# Altium PCB Condor2a.PcbDoc (part 2 of 2)
Units mm, origin at the board's own origin, x right, y up, seen from the top; angles counter-clockwise.
Board outline 206.68 x 159.72 mm, 4 copper layers (Top Layer, Signal Layer 2, Signal Layer 1, Bottom Layer), stack 1.643 mm thick; 82 components, 117 nets, 485 pads, 183 vias.
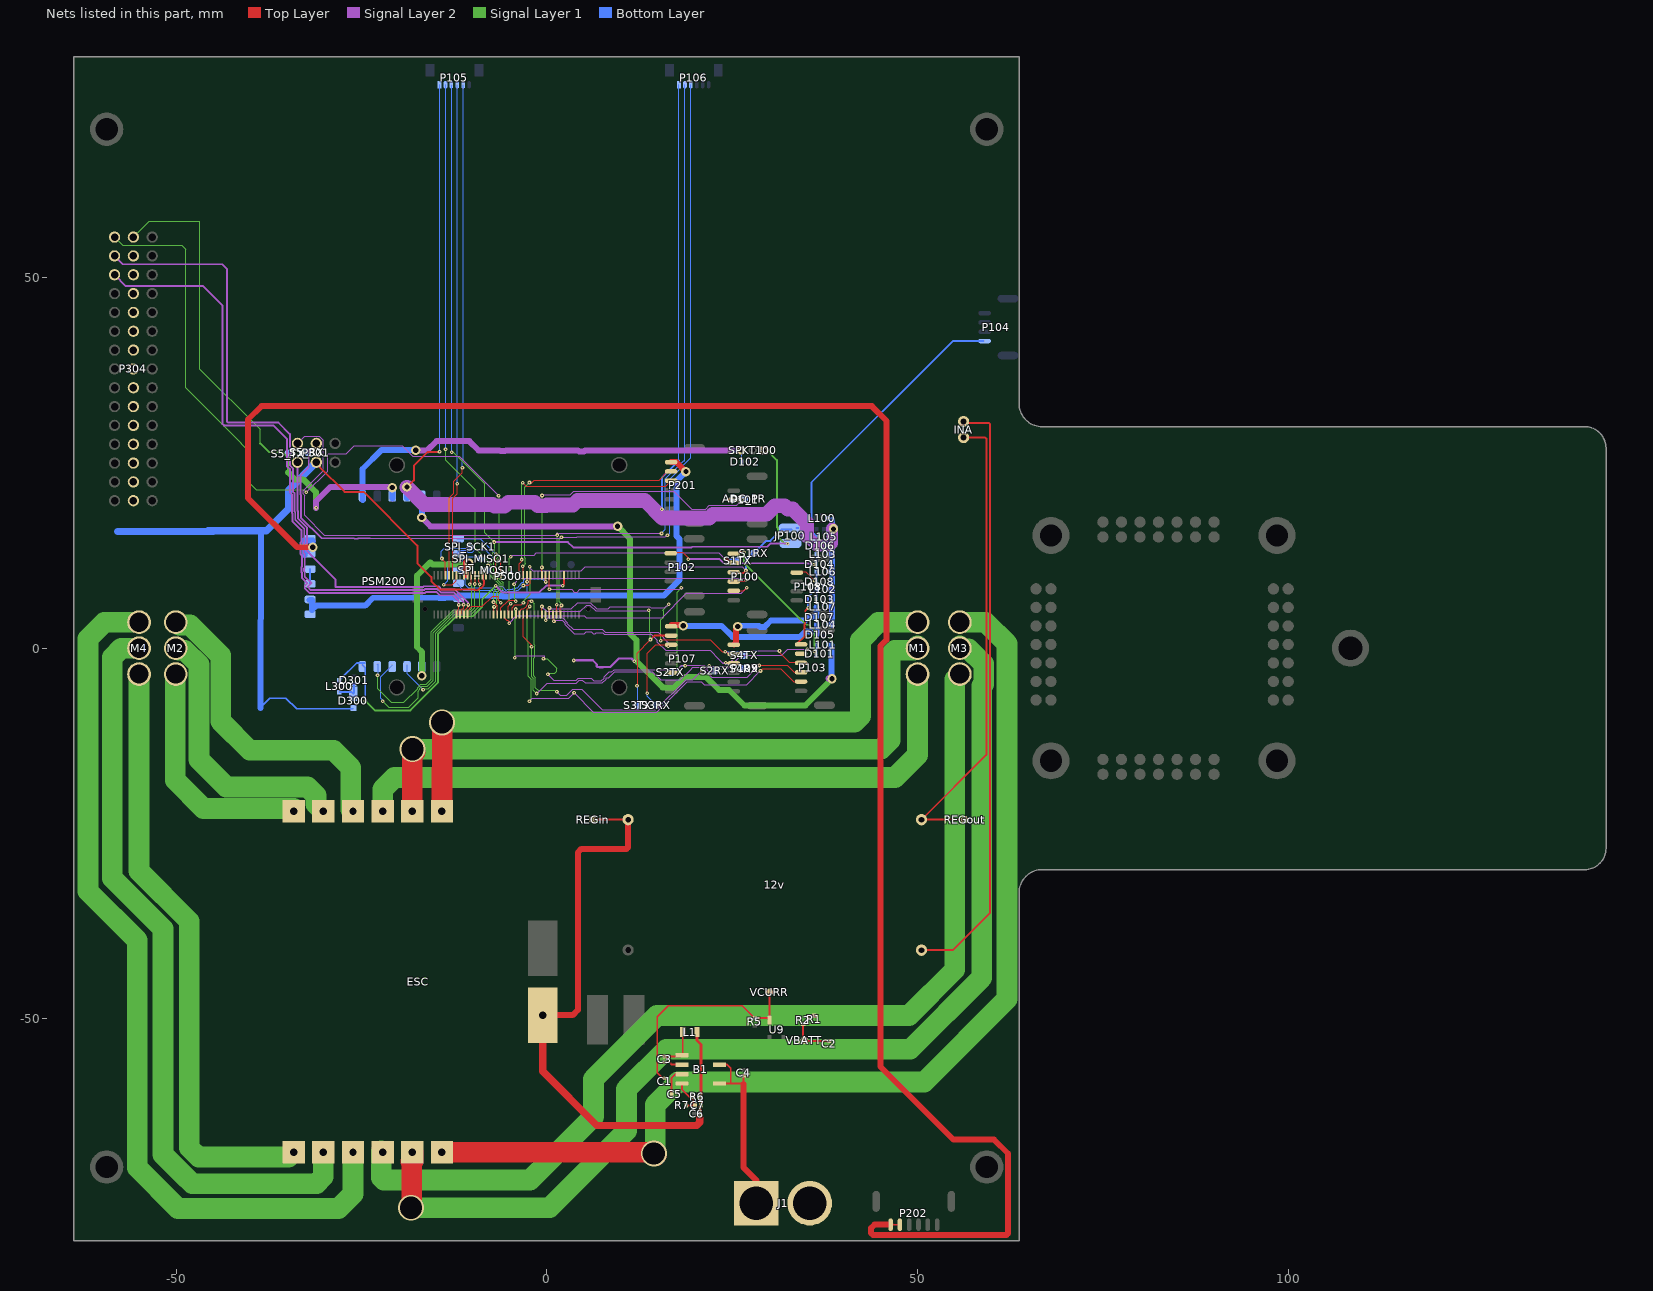
[diagram p4: the nets of this part, all layers, seen from the top]

## Via types
v1: diameter 0.5, hole 0.2, Top Layer to Bottom Layer, tented both sides, 166 vias
v2: diameter 1.27, hole 0.711, Top Layer to Bottom Layer, tented both sides, 13 vias
v3: diameter 3.5, hole 3, Top Layer to Bottom Layer, tented both sides, 4 vias

## Nets (pads, with @x,y where several pads share a name; then routed paths per layer and width w, separated by ;. In a path a pad name is that pad's centre, name@x,y a point inside that pad or via, vN(x,y) a via of type N, cw(c..) or ccw(c..) an arc to the next point about the centre after c; other vN are vias at no path point) (continued)
IO-CH7-PROT: P304.13 P500.68 | length 86.9
  Top Layer w0.15: P500.68@-12.196,4.53 -12.025,4.701 -12.025,5.172 -11.897,5.299 v1(-11.897,5.833) v1@-11.897,5.878
  Signal Layer 2 w0.254: P304.13@-58.318,50.368 -56.794,48.844 -46.35,48.844 -43.764,46.259 -43.764,30.256 -43.545,30.036 -36.88,30.036 -35.039,28.196 -35.039,24.502 -34.645,24.108 -34.645,20.96 -34.404,20.719 -34.404,18.237 -34.326,18.158 -34.326,17.142 -33.116,15.932 -33.116,14.407 -33.233,14.29 -33.233,12.684 -33.044,12.494 -33.044,10.974 -33.125,10.892 -33.125,10.261 -33.044,10.179 -33.044,9.492 -32.311,8.759 -32.663,8.408 -32.663,8.093 -32.029,7.459 -16.411,7.459 -16.288,7.582 -14.924,7.582 -14.47,7.129 -12.696,7.129 -11.897,6.331 v1(-11.897,5.833)
IO-CH8-PROT: P304.14 P500.66 | length 91.9
  Top Layer w0.15: P500.66@-11.696,4.53 -11.525,4.701 -11.525,5.172 -11.406,5.29 -11.298,5.29 -11.237,5.352 v1(-11.237,5.859)
  Signal Layer 2 w0.254: P304.14@-58.318,52.908 -57.201,51.791 -43.79,51.791 -43.155,51.156 -43.155,30.566 -43.006,30.417 -36.202,30.417 -34.658,28.874 -34.658,24.66 -34.264,24.266 -34.264,21.118 -34.023,20.877 -34.023,18.395 -33.945,18.316 -33.945,17.299 -32.735,16.09 -32.735,14.249 -32.852,14.132 -32.852,12.842 -32.663,12.652 -32.663,10.816 -32.744,10.735 -32.744,10.419 -32.663,10.337 -32.663,9.649 -31.742,8.729 -31.803,8.729 -32.282,8.25 -31.871,7.84 -16.569,7.84 -16.446,7.963 -14.766,7.963 -14.313,7.51 -12.538,7.51 -11.212,6.184 v1@-11.212,5.859
IO-SWCLK: P105.5 P500.71 | length 67
  Top Layer w0.152: P500.71@-13.196,9.847 -13.196,20.267 -12.542,20.92 -12.542,22.52 -11.389,23.673 v1(-11.389,24.325)
  Bottom Layer w0.15: -11.311,25.487 -11.311,75.97 P105.5@-11.282,76
  Bottom Layer w0.152: v1(-11.389,24.325) -11.389,25.392 -11.282,25.5
IO-SWDIO: P105.4 P500.69 | length 66.6
  Top Layer w0.152: P500.69@-12.696,9.847 -12.696,20.2 -12.075,20.82 v1(-12.075,22.166)
  Bottom Layer w0.15: -12.082,25.5 P105.4@-12.082,76
  Bottom Layer w0.152: -12.082,25.5 -12.082,22.261 -12.177,22.166 v1(-12.075,22.166)
IO-USART1_RX_SPECTRUM_DSM: JP100.1 P105.3 P500.48 SPKT100.1 | length 130.2
  Top Layer w0.15: P500.48@-7.196,4.53 -7.196,5.48 v1(-7.122,5.554)
  Signal Layer 2 w0.254: v1(-7.122,14.317) 2.833,14.317 3.566,13.584 19.529,13.584 19.624,13.68 29.751,13.68 ; 29.751,13.686 30.185,14.12 v1@32.488,14.12
  Signal Layer 1 w0.15: v1@-12.867,26.42 -12.647,26.42 -8.392,22.166 -8.392,15.587 v1(-7.122,14.317) ; v1(-7.122,5.554) -7.148,5.579 -7.148,5.325 -6.79,5.683 -6.79,5.984 -6.746,6.027 -6.746,6.402 -6.79,6.445 -6.79,7.472 -6.165,8.097 -6.165,8.701 -7.193,9.729 -7.193,12.352 -7.32,12.479 -7.32,12.853 -7.046,13.127 v1@-7.046,14.393
  Signal Layer 1 w0.254: SPKT100.1@29.272,26.668 29.728,26.668 31.025,25.37 31.025,16.336 31.162,16.199 31.162,14.998 32.06,14.1 v1(32.488,14.1)
  Bottom Layer w0.15: P105.3@-12.882,76 -12.842,75.961 v1(-12.842,26.42)
IO-USART1_TX: P105.2 P500.46 | length 75.1
  Top Layer w0.15: v1(-7.198,6.214) -6.99,6.006 -6.935,6.006 -6.67,5.741 -6.67,4.555 P500.46@-6.696,4.53
  Signal Layer 1 w0.15: v1(-13.667,26.82) -13.667,25.345 -9.662,21.34 -9.662,13.508 -7.483,11.329 -7.483,9.627 -6.442,8.586 -6.442,8.212 -6.706,7.947 -6.824,7.947 -7.198,7.572 v1(-7.198,6.214)
  Bottom Layer w0.15: v1(-13.667,26.82) P105.2@-13.667,75.986
Net12v_OUT+: 12v.OUT+ INA.1 REGout.P$1 | length 64.7
  Top Layer w0.254: 12v.OUT+@50.304,-23.139 REGout.P$1@56.364,-23.139 ; 12v.OUT+@50.536,-23.139 59.284,-14.392 59.284,28.265 59.135,28.413 INA.1@55.733,28.413
Net12v_OUT-: 12v.OUT- INA.2 | length 81.2
  Top Layer w0.254: 12v.OUT-@50.536,-40.739 54.739,-40.739 59.792,-35.687 59.792,30.204 59.643,30.353 INA.2@55.916,30.353
NetB1_1: B1.1 C3.P$1 L1.P$1 | length 5.1
  Top Layer w0.254: C3.P$1@15.904,-55.069 B1.1@18.051,-55.069 ; B1.1@18.332,-54.788 L1.P$1@18.332,-51.791
NetB1_2: B1.2 C3.P$2 | length 2.4
  Top Layer w0.254: C3.P$2@15.904,-55.869 16.55,-55.869 16.866,-56.185 B1.2@18.205,-56.185
NetB1_3: B1.3 C5.P$1 | length 3.8
  Top Layer w0.254: C5.P$1@16.789,-60.198 16.789,-57.996 17.331,-57.455 B1.3@18.205,-57.455
NetB1_4: B1.4 C7.P$2 R6.P1 R7.P2 | length 5.2
  Top Layer w0.254: B1.4@18.205,-58.725 18.205,-59.522 19.207,-60.524 R6.P1@19.748,-60.524 19.748,-61.456 C7.P$2@19.975,-61.684 R7.P2@18.765,-61.684
NetD101_C: D101.C L101.P$2 P100.1 | length 19.6
  Top Layer w0.254: P100.1@25.758,12.72 26.066,13.029 26.501,13.029 26.578,12.952 v1(26.604,12.952)
  Signal Layer 1 w0.254: v1(26.604,12.952) 26.604,11.474 34.276,3.802 ; 34.394,3.76 34.997,3.156 35.305,3.156 36.103,2.359 v1(36.103,-0.4)
  Bottom Layer w0.254: D101.C@36.382,-0.738 L101.P$2@36.382,0.455
NetD104_C: D104.C L103.P$2 P102.1 | length 21.7
  Top Layer w0.152: P102.1@16.884,12.915 18.35,12.915 19.082,12.183 v1(19.082,12.006)
  Signal Layer 2 w0.254: v1(19.082,12.006) 22.916,12.006 ; 22.923,12.012 23.3,12.012 23.859,11.453 35.316,11.453 ; 35.058,11.42 35.777,11.42 v1@35.955,11.242
  Bottom Layer w0.254: v1(35.968,11.255) D104.C@36.357,11.255 ; D104.C@36.382,11.077 36.382,12.271
NetD105_C: D105.C L104.P$2 P107.1 | length 22.1
  Top Layer w0.8: P107.1@16.783,3.096 18.314,3.096 v2(18.397,3.014)
  Bottom Layer w0.8: v2@18.219,3.039 18.244,3.014 v2(18.397,3.014) 23.564,3.014 25.058,1.52 34.158,1.52 34.858,2.22 36.405,2.22 ; D105.C@36.405,1.868 L104.P$2@36.405,3.183
NetD106_C: D106.C L105.P$2 P104.1 | length 40.3
  Bottom Layer w0.254: 36.382,13.465 36.382,13.82 36.382,14.659 ; 36.442,14.718 36.319,14.841 36.319,15.141 35.697,15.763 35.697,22.371 54.753,41.427 P104.1@58.903,41.427
NetD107_C: D107.C L107.P$2 P109.1 | length 14.8
  Top Layer w0.8: P109.1@25.268,0.456 25.496,0.684 25.496,2.659 v2(25.758,2.92)
  Bottom Layer w0.8: v2@25.758,3.02 28.604,3.02 28.746,2.878 29.389,2.878 30.231,3.72 34.858,3.72 35.334,4.197 D107.C@36.332,4.197 ; 36.382,4.645 L107.P$2@36.382,5.553
NetD108_C: D108.C L106.P$2 P108.1 | length 4.7
  Top Layer w0.152: P108.1@33.718,10.361 33.79,10.29 34.952,10.29 v1@36.095,9.147
  Bottom Layer w0.254: v1(36.095,9.121) 36.382,8.834 L106.P$2@36.382,10.292
NetD300_CATHODE: D300.CATHODE D301.C L300.P$1 | length 3.4
  Bottom Layer w0.254: L300.P$1@-28.01,-5.927 -26.329,-5.927 D300.CATHODE@-26.105,-6.15 -26.004,-6.048 D301.C@-26.004,-4.827
NetESC_1: ESC.1 M4.1 | length 80.6
  Signal Layer 1 w2.8: M4.1@-55.016,-3.5 -55.016,-17.069 -55.016,-30.048 -48.235,-36.83 -48.235,-67.386 -46.965,-68.656 ESC.1@-34.849,-68.656
NetESC_2: ESC.2 M4.2 | length 101
  Signal Layer 1 w2.8: M4.2@-55.016,0 -57.379,0 -58.623,-1.245 -58.623,-31.013 -51.791,-37.846 -51.791,-68.301 -49.022,-71.069 -48.997,-71.069 -47.828,-72.238 -31.09,-72.238 -30.155,-71.303 ESC.2@-30.155,-68
NetESC_3: ESC.3 M4.3 | length 119.7
  Signal Layer 1 w2.8: M4.3@-55.016,3.5 -59.67,3.5 -61.9,1.27 -61.9,-32.791 -55.245,-39.446 -55.245,-70.104 -49.759,-75.59 -28.118,-75.59 -26.155,-73.628 ESC.3@-26.155,-68
NetESC_4: ESC.4 M3.1 | length 135.9
  Signal Layer 1 w2.8: ESC.4@-22.327,-67.843 -22.327,-71.425 -21.996,-71.755 -2.286,-71.755 6.274,-63.195 6.274,-58.141 14.859,-49.555 48.844,-49.555 55.016,-43.383 55.016,-4.238 55.7,-3.554 M3.1@55.7,-3.5
NetESC_5: ESC.5 M3.2 | length 147.3
  Top Layer w2.8: v3@-18.218,-75.393 ESC.5@-18.218,-69.258
  Top Layer w3: v3(-18.313,-75.489) v3@-18.218,-75.393 ; ESC.5@-18.218,-69.258 -18.155,-69.195 ESC.5@-18.155,-68
  Signal Layer 1 w2.8: v3(-18.313,-75.489) 0.356,-75.489 10.744,-65.1 10.744,-59.487 16.129,-54.102 49.022,-54.102 58.649,-44.475 58.649,-5.115 58.927,-4.837 58.927,-2.136 56.891,-0.1 56.073,-0.1 M3.2@55.7,0.273
NetESC_6: ESC.6 M3.3 | length 144.2
  Top Layer w2.8: ESC.6@-14.155,-68 v3@14.237,-68
  Top Layer w3: v3@14.237,-68 14.605,-68.368 v3@14.605,-68.377
  Signal Layer 1 w2.8: v3@14.605,-68 14.605,-61.62 17.704,-58.522 50.902,-58.522 62.078,-47.346 62.078,0.381 62.078,0.609 59.187,3.5 M3.3@55.7,3.5
  other v3: 14.421,-68.184
NetESC_9: ESC.9 M1.3 | length 87.7
  Top Layer w2.8: ESC.9@-14.155,-22 v3@-14.12,-9.97
  Signal Layer 1 w2.8: v3@-14.12,-9.97 41.491,-9.97 42.291,-9.17 42.291,1.049 44.742,3.5 M1.3@50,3.5
  other v3: -14.146,-10.004
NetESC_10: ESC.10 M1.2 | length 88.8
  Top Layer w2.8: ESC.10@-18.155,-22 -18.155,-14.345 v3@-17.805,-13.995
  Signal Layer 1 w2.8: v3@-18.155,-13.627 45.072,-13.627 46.279,-12.421 46.279,-0.971 46.965,-0.285 49.442,-0.285 M1.2@50,0.273
  other v3: -18.143,-13.627
NetESC_11: ESC.11 M1.1 | length 87.6
  Signal Layer 1 w2.8: ESC.11@-22.155,-22.08 -22.155,-19.057 -20.549,-17.45 46.965,-17.45 50,-14.414 M1.1@50,-3.95
NetESC_12: ESC.12 M2.3 | length 42.6
  Signal Layer 1 w2.8: M2.3@-50.063,3.5 -49.955,3.5 -49.582,3.127 -48.129,3.127 -44.009,-0.992 -44.009,-9.839 -40.081,-13.767 -28.801,-13.767 -26.441,-16.126 ESC.12@-26.441,-21.793
NetESC_13: ESC.13 M2.2 | length 37.2
  Signal Layer 1 w2.8: M2.2@-50.063,0 -49.955,0 -49.656,-0.299 -48.842,-0.299 -46.936,-2.205 -46.936,-15.014 -43.237,-18.714 -32.282,-18.714 -31.128,-19.868 -31.128,-21.027 ESC.13@-30.155,-22
NetESC_14: ESC.14 M2.1 | length 32.1
  Signal Layer 1 w2.8: M2.1@-50.14,-3.315 -50.14,-17.805 -46.304,-21.641 ESC.14@-34.155,-21.641
OTG_DM1: P201.3 P500.33 | length 33.3
  Top Layer w0.15: P500.33@-3.693,9.847 -3.713,9.867 -3.713,11.401 -3.388,11.726 v1(-3.388,11.955) ; v1(-3.236,22.293) -2.779,21.835 16.005,21.835 P201.3@16.758,22.587
  Signal Layer 1 w0.15: v1(-3.388,11.955) -3.388,22.265 -3.416,22.293 v1(-3.236,22.293)
OTG_DP1: P201.2 P500.31 | length 32.9
  Top Layer w0.15: v1(-3.261,11.04) -3.312,11.04 -3.363,10.99 -3.185,10.812 P500.31@-3.185,9.847 ; v1(-2.347,22.343) -2.042,22.343 -1.712,22.674 15.171,22.674 16.335,23.837 P201.2@16.758,23.837
  Signal Layer 1 w0.15: v1(-3.261,11.04) -3.185,11.04 -2.906,11.32 -2.906,11.396 -2.936,11.427 -2.936,12.142 -2.957,12.162 -2.957,21.785 -2.906,21.785 v1(-2.347,22.343)
PERIPH_5V: D103.C L102.P$2 P103.1 | length 10.1
  Top Layer w0.254: P103.1@33.718,0.562 34.758,1.602 34.758,3.212 34.858,3.312 34.858,5.02 v1(35.258,5.42)
  Bottom Layer w0.254: v1@35.231,5.42 35.231,5.447 35.206,5.472 35.206,6.869 36.382,8.045 D103.C@36.382,6.566
"Possible Ground ": J1.N
PPM-SBUS-PROT: P304.15 P500.62 | length 108.2
  Top Layer w0.15: P500.62@-10.696,4.53 -10.696,5.054 -10.119,5.63 -8.717,5.63 -7.32,7.027 -6.565,7.027 -6.565,6.495 v1(-6.208,6.138)
  Signal Layer 2 w0.15: v1(-32.442,21.02) -29.578,23.885 -29.578,26.075 -29.431,26.222 -27.089,26.222 -26.015,27.296 -19.543,27.296 -18.12,25.874 -11.847,25.874 v1(-6.513,20.54) v1@-6.513,20.591
  Signal Layer 1 w0.15: P304.15@-58.318,55.448 -57.201,54.331 -49.225,54.331 -48.717,53.823 -48.717,35.115 -41.222,27.62 -41.222,27.557 -40.081,26.415 -40.081,22.243 -39.236,21.399 -32.821,21.399 v1(-32.442,21.02) ; v1(-6.513,20.54) -6.416,20.444 -6.416,12.462 -6.838,12.04 -6.838,9.765 -5.888,8.815 -5.888,7.982 -6.513,7.357 -6.513,6.56 -6.469,6.516 -6.469,6.4 v1(-6.208,6.138)
  Signal Layer 1 w0.254: v1@-6.27,6.138 v1(-6.208,6.138)
PRESSURE_SENS_IN: ADC_PR.P$1 P101.2 P500.21 | length 40.2
  Top Layer w0.15: P500.21@-0.671,9.847 v1(-0.671,10.888) ; P101.2@25.658,20.02 v1@26.227,20.02
  Signal Layer 2 w0.15: v1(-0.645,20.591) -0.645,20.616 -0.696,20.667 3.175,20.667 3.646,21.138 17.124,21.138 19.511,18.751 21.414,18.751 21.922,19.259 25.597,19.259 v1(26.358,20.02)
  Signal Layer 1 w0.15: v1(-0.671,10.888) -0.645,10.913 v1(-0.645,20.591)
RX_5V0_OUT: "P304.RX 5V" PSM200.RX | length 70.2
  Signal Layer 2 w0.8: v1(-31.142,18.92) -31.142,19.812 -29.195,21.759 -20.965,21.759 v2(-20.864,21.658)
  Signal Layer 1 w0.15: -55.778,55.448 -53.645,57.582 -46.812,57.582 -46.812,37.643 -38.682,29.513 -38.682,27.62
  Signal Layer 1 w0.254: -38.682,27.62 -37.482,26.42 -35.642,26.42 -34.91,25.688 -34.91,23.715
  Signal Layer 1 w0.8: -34.91,23.715 -33.968,22.773 -32.876,22.773 -31.142,21.04 v1(-31.142,18.92)
  Bottom Layer w0.8: PSM200.RX@-20.842,20.195 v2@-20.842,21.658
S.BUS_OUT: P301.1 P500.64 | length 39.8
  Top Layer w0.15: P500.64@-11.196,4.53 -11.196,5.001 -10.602,5.595 v1(-10.602,5.833)
  Signal Layer 2 w0.254: P301.1@-33.642,25.08 -33.642,18.552 -33.564,18.474 -33.564,17.457 -32.354,16.247 -32.354,14.092 -32.471,13.974 -32.471,13.238 -28.534,9.301 -28.534,8.246 -16.701,8.246 -16.604,8.344 -14.608,8.344 -14.155,7.891 -12.38,7.891 -10.602,6.113 v1(-10.602,5.833)
SAFETY: P107.6 P500.17 | length 33.9
  Top Layer w0.15: P500.17@0.32,9.847 0.32,7.967 0.295,7.942 v1(0.345,7.942) ; P107.6@16.783,-3.158 16.809,-3.184 17.863,-3.184 v1(17.863,-3.336)
  Signal Layer 2 w0.15: v1(0.345,7.942) 3.338,7.942 3.714,7.566 4.089,7.566 4.464,7.942 17.914,7.942 v1(18.117,8.145) 18.371,8.145 v1@18.168,7.942
  Signal Layer 1 w0.15: v1(17.863,-3.336) 17.863,-3.184 17.787,-3.26 17.56,-3.032 17.56,7.562 18.143,8.145 v1(18.117,8.145)
SERIAL1_CTS: P100.4 P500.44 | length 38.8
  Top Layer w0.15: P500.44@-6.196,4.53 -6.196,5.439 -5.141,6.494 -4.379,6.494 v1(-4.201,6.316) ; P100.4@25.258,9.02 26.635,9.02 v1(26.858,9.243)
  Signal Layer 2 w0.15: v1(-4.43,8.602) -4.43,8.704 -3.724,9.41 v1@26.691,9.41
  Signal Layer 1 w0.15: v1(-4.43,8.602) -4.331,8.503 -4.331,6.678 v1@-4.174,6.521
SERIAL1_RTS: P100.5 P500.42 | length 37.4
  Top Layer w0.15: P500.42@-5.696,4.53 -5.696,4.062 -5.402,3.769 -5.312,3.769 -5.09,3.547 v1(-5.09,3.37) ; P100.5@25.465,7.828 25.572,7.72 26.528,7.72 v1(26.959,8.151)
  Signal Layer 2 w0.15: v1(-5.09,3.37) -4.107,4.353 5.056,4.353 5.303,4.106 15.552,4.106 18.833,7.388 25.818,7.388 ; 25.825,7.394 26.202,7.394 v1(26.959,8.151)
SERIAL1_RX: JP100.2 P100.3 P500.38 S1RX.P$1 | length 49.2
  Top Layer w0.15: P500.38@-4.684,4.53 -4.684,5.452 -4.303,5.833 -3.439,5.833 v1(-3.16,6.113)
  Top Layer w0.254: P100.3@25.458,10.12 26.515,10.12 v1(26.858,10.463)
  Signal Layer 2 w0.15: v1(-2.322,10.99) -2.347,10.964 -2.347,10.888 -1.895,10.436 4.639,10.436 5.162,10.959 23.871,10.959 ; 23.877,10.965 26.355,10.965 v1(26.858,10.463)
  Signal Layer 1 w0.15: v1(-3.16,6.113) -3.16,6.346 -2.225,7.281 -2.225,10.893 v1(-2.322,10.99)
  Bottom Layer w0.254: v1@26.731,10.513 26.781,10.463 v1(26.858,10.463) 26.858,10.513 26.858,11.936 27.836,12.914 28.013,12.914 29.579,14.479 30.157,14.479 31.687,16.009 JP100.2@33.013,16.009 ; JP100.2@33.657,16.183 JP100.2@33.936,16.183
SERIAL1_TX: P100.2 P500.40 S1TX.P$1 | length 41.3
  Top Layer w0.15: P500.40@-5.192,4.53 -5.192,5.643 v1(-4.862,5.973) v1@-4.862,6.062
  Top Layer w0.254: v1(23.987,12.037) 24.341,12.037 24.958,11.42 P100.2@25.558,11.42
  Signal Layer 2 w0.15: v1(-4.862,12.336) -4.633,12.564 -1.712,12.564 -1.433,12.844 20.691,12.844 ; 20.697,12.85 23.175,12.85 v1(23.987,12.037)
  Signal Layer 1 w0.15: v1(-4.862,5.973) -5.085,6.196 -5.085,12.112 v1(-4.862,12.336) v1@-4.836,12.336
  Bottom Layer w0.254: v1(23.987,12.037) 25.537,12.037 S1TX.P$1@25.765,11.809
SERIAL2_CTS: P103.4 P500.32 | length 51.7
  Top Layer w0.15: P500.32@-3.185,4.53 -3.185,1.515 -2.068,0.398 v1(-2.068,0.169) ; v1(-1.356,-6.13) v1@-1.342,-6.144 ; v1(28.636,-2.339) 32.428,-2.339 33.349,-3.26 P103.4@34.291,-3.26
  Signal Layer 2 w0.15: v1(-1.356,-6.13) 0.041,-4.733 3.948,-4.733 4.375,-4.306 4.749,-4.306 5.143,-4.7 7.455,-4.7 7.983,-4.171 7.983,-3.995 8.35,-3.995 9.179,-3.167 14.233,-3.167 15.362,-4.296 18.01,-4.296 19.375,-2.931 19.375,-2.92 19.691,-2.605 21.081,-2.605 21.346,-2.869 21.346,-3.096 22.21,-3.959 27.015,-3.959 v1(28.636,-2.339)
  Signal Layer 1 w0.15: v1(-2.068,0.169) -2.068,-3.829 -1.813,-4.083 -1.813,-5.673 v1(-1.356,-6.13)
SERIAL2_RTS: P103.5 P500.30 | length 56.4
  Top Layer w0.15: P500.30@-2.677,4.53 -2.677,5.325 -2.601,5.325 v1(-2.296,5.63) ; v1@3.664,-6.136 v1(3.664,-6.028) ; v1(28.813,-3.076) 29.093,-2.796 31.561,-2.796 33.269,-4.504 P103.5@34.291,-4.504
  Signal Layer 2 w0.15: v1(-2.347,-7.146) -1.946,-6.745 2.947,-6.745 v1(3.664,-6.028) 6.255,-8.619 14.818,-8.619 18.918,-4.519 20.821,-4.519 21.252,-4.95 26.939,-4.95 v1(28.813,-3.076) v1@28.826,-3.063
  Signal Layer 1 w0.15: v1(-2.347,-7.146) -2.09,-6.889 -2.09,-4.198 -2.53,-3.758 -2.53,0.788 -2.677,0.935 -2.677,5.275 -2.652,5.275 v1(-2.296,5.63)
SERIAL2_RX: P103.3 P500.34 S2RX.P$1 | length 57.9
  Top Layer w0.15: P500.34@-3.693,4.53 -3.693,4.894 -3.514,5.073 -3.514,5.172 -3.396,5.29 -3.104,5.29 -2.748,5.646 -2.748,5.817 -2.485,6.081 -2.485,6.382 -2.423,6.443 -2.169,6.443 v1(-2.068,6.341) ; v1@31.252,-0.485 32.684,-1.917 P103.3@34.291,-1.917
  Signal Layer 2 w0.15: v1(1.361,-5.901) 1.813,-6.353 2.699,-6.353 3.477,-5.576 4.707,-5.576 7.471,-8.34 14.706,-8.34 18.804,-4.242 19.709,-4.242 v1(20.894,-3.057) ; v1@22.029,-2.422 24.366,-2.422 ; 24.373,-2.415 24.592,-2.196 24.592,-2.033 26.241,-0.383 v1(31.379,-0.383)
  Signal Layer 1 w0.15: v1(-2.068,6.341) -1.717,5.991 -1.717,0.458 -1.616,0.356 -1.616,-1.203 -1.758,-1.345 -1.758,-3.747 -1.536,-3.969 -1.536,-5.315 -1.173,-5.678 1.138,-5.678 v1(1.361,-5.901) ; v1(20.894,-3.057) 21.504,-2.447 21.808,-2.447 v1(21.885,-2.371)
  Bottom Layer w0.15: v1(21.885,-2.371) 21.859,-2.396 21.851,-2.396 21.8,-2.447 22.433,-3.08 S2RX.P$1@22.658,-3.08
SERIAL2_TX: P103.2 P500.36 S2TX.P$1 | length 57.7
  Top Layer w0.15: P103.2@33.718,-0.688 34.643,-0.688 v1@35.147,-0.184
  Signal Layer 2 w0.15: v1(-4.354,-1.304) -4.1,-1.05 -0.315,-1.05 -0.315,-1.279 v1(-0.467,-1.431) ; v1(0.142,-3.539) 0.909,-4.306 3.369,-4.306 3.384,-4.321 3.758,-4.321 3.773,-4.306 3.983,-4.306 4.26,-4.029 5.962,-4.029 6.356,-4.423 7.34,-4.423 7.706,-4.057 7.706,-3.881 8.391,-3.196 8.758,-3.196 9.064,-2.89 14.347,-2.89 14.357,-2.899 14.731,-2.899 14.741,-2.89 16.985,-2.89 17.304,-3.209 18.186,-2.328 21.196,-2.328 21.623,-2.755 21.623,-2.981 21.749,-3.107 22.562,-3.107 22.9,-2.77 23.277,-2.77 ; 23.284,-2.763 24.416,-2.763 26.238,-0.942 31.658,-0.942 32.471,-0.129 ; 32.471,-0.15 v1@35.113,-0.15
  Signal Layer 1 w0.15: v1(-4.354,-1.304) -4.354,-1.261 -4.27,-1.177 v1@-4.27,5.275 ; v1(-0.467,-1.431) 0.019,-1.431 1.305,-2.717 1.305,-3.091 1.041,-3.356 0.325,-3.356 v1(0.142,-3.539)
  Bottom Layer w0.15: S2TX.P$1@16.658,-3.28 17.234,-3.28 18.143,-2.371 v1(18.633,-2.371)
  other v1: 35.113,-0.129 -4.201,5.275
SERIAL3_RX: P107.3 P500.20 S3RX.P$1 | length 30
  Top Layer w0.15: v1(13.558,-6.08) 13.558,-0.703 14.706,0.445 P107.3@16.632,0.445 ; P107.3@16.758,0.445 P107.3@16.632,0.445 ; P107.3@16.783,0.596 P107.3@16.632,0.445
  Signal Layer 2 w0.15: v1(-0.163,3.776) 0.137,4.076 2.154,4.076 2.774,3.456 2.774,3.294 3.547,2.521 7.482,2.521 7.853,2.15 14.994,2.15 16.39,0.754 v1(16.39,0.245)
  Bottom Layer w0.15: v1(13.558,-6.08) 13.558,-6.48 S3RX.P$1@14.758,-7.68
SERIAL3_TX: P107.2 P500.22 S3TX.P$1 | length 33.5
  Top Layer w0.15: P500.22@-0.671,4.53 -0.671,5.579 -0.696,5.605 v1(-0.671,5.605) ; v1(12.157,-5.08) 12.227,-5.01 12.227,-1.574 12.157,-1.504 12.157,-0.66 v1(13.977,1.16) ; P107.2@16.758,1.846 P107.2@16.783,1.846
  Top Layer w0.254: v1(13.977,1.16) 14.513,1.695 P107.2@16.758,1.695
  Signal Layer 2 w0.15: v1@-0.721,5.605 v1(-0.671,5.605) -0.041,4.975 4.521,4.975 5.357,5.812 5.798,5.812 6.582,5.028 13.629,5.028 v1(13.723,5.122)
  Signal Layer 1 w0.15: v1(13.723,5.122) 13.799,5.198 13.85,5.198 13.85,2.084 13.977,1.957 v1(13.977,1.16)
  Bottom Layer w0.15: v1(12.157,-5.08) 12.258,-5.18 S3TX.P$1@12.258,-7.68
SERIAL4_RX: P109.3 P500.16 S4RX.P$1 | length 32.3
  Top Layer w0.15: P500.16@0.828,4.53 0.828,3.827 1.158,3.497 1.082,3.497 v1(0.955,3.624) ; P109.3@25.268,-2.044 24.226,-2.044 v1(24.14,-1.958) ; v1(24.14,-1.958) 24.14,-2.009 24.114,-2.034 24.114,-1.983 v1(24.14,-1.958)
  Signal Layer 2 w0.15: v1(0.955,3.624) 1.1,3.768 2.07,3.768 2.497,3.341 2.497,3.18 3.709,1.967 5.028,1.967 5.305,2.244 5.956,2.244 6.233,1.967 6.559,1.967 6.686,2.094 7.518,2.094 7.746,1.866 14.109,1.866 14.922,1.053 14.922,0.82 16.03,-0.288 22.016,-0.288 23.2,-1.472 23.2,-1.51 23.731,-2.041 ; v1@24.114,-2.034 24.14,-2.009 v1(24.14,-1.958)
  Signal Layer 2 w0.254: 23.731,-2.041 v1@24.057,-2.041
  Bottom Layer w0.15: v1(24.14,-1.958) 24.14,-2.009 24.038,-2.11 26.045,-2.11 S4RX.P$1@26.807,-2.872
SERIAL4_TX: P109.2 P500.18 S4TX.P$1 | length 37.3
  Top Layer w0.15: P500.18@0.32,4.53 0.32,5.402 v1(0.345,5.427) ; v1(15.374,1.007) 15.501,1.134 22.054,1.134 23.68,-0.491 v1@24.057,-0.491 ; v1@24.14,-0.409 24.525,-0.794 P109.2@25.268,-0.794
  Signal Layer 2 w0.15: v1(0.345,5.427) 0.467,5.305 3.318,5.305 4.146,6.133 5.869,6.133 6.697,5.305 8.254,5.305 8.523,5.574 13.91,5.574 14.057,5.427 15.933,5.427 v1(16.441,5.935)
  Signal Layer 1 w0.15: v1(15.374,1.007) 15.374,3.826 15.745,4.197 15.745,5.031 15.641,5.135 v1(16.441,5.935)
  Bottom Layer w0.15: v1@23.987,-0.409 v1(24.064,-0.485) 26.019,-0.485 S4TX.P$1@26.68,-1.145
SERIAL5_RX: P106.3 P301.4 P500.12 S5_RX.P$1 | length 136.4
  Top Layer w0.15: P500.12@1.819,4.53 1.819,5.605 v1(1.971,5.757)
  Signal Layer 2 w0.15: -23.842,14.82 0.958,14.82 0.973,14.805 1.824,14.805 v1(1.971,14.952) 4.024,14.952 4.121,15.048 9.878,15.048 9.906,15.02 15.963,15.02 16.096,15.153 16.183,15.153 v1@16.258,15.079
  Signal Layer 2 w0.254: P301.4@-31.102,27.62 -32.118,26.604 -32.118,24.398 -33.223,23.293 -33.223,20.697 -33.183,20.656 -33.183,17.615 -30.388,14.82 -26.019,14.82 -25.951,14.753 -25.534,14.753 -25.466,14.82 -23.842,14.82
  Signal Layer 1 w0.15: v1(1.971,5.757) 1.971,5.986 1.697,6.26 1.697,14.678 v1(1.971,14.952)
  Bottom Layer w0.15: S5_RX.P$1@-32.141,26.407 P301.4@-30.827,27.722 ; v1(16.258,15.22) 16.558,15.52 16.558,22.806 19.419,25.667 19.419,25.82 P106.3@19.419,76
SERIAL5_TX: P106.2 P301.2 P500.14 S5_TX.P$1 | length 139.4
  Top Layer w0.15: P500.14@1.311,4.53 1.336,4.555 v1(1.336,5.859)
  Signal Layer 2 w0.15: P301.2@-33.642,27.62 -32.678,28.584 -30.703,28.584 -30.138,28.02 -30.138,23.964 -32.894,21.208 -32.894,20.833 -32.649,20.588 -32.649,17.898 -30.008,15.257 v1(1.387,15.257) 1.387,15.536 1.412,15.511 15.437,15.511 v1(15.476,15.472)
  Signal Layer 1 w0.15: v1@1.387,5.833 v1(1.387,15.257)
  Bottom Layer w0.15: S5_TX.P$1@-34.859,26.331 P301.2@-33.671,27.519 ; v1(15.476,15.472) 15.476,15.536 15.978,16.039 15.978,18.924 15.958,18.945 15.958,22.82 18.434,25.296 18.619,25.296 P106.2@18.619,76
SPI_EXT_MISO: P500.67 SPI_MISO1.P$1 | length 10.8
  Top Layer w0.152: v1(-13.929,8.551) -12.761,8.551 -12.196,9.116 P500.67@-12.196,9.847
  Bottom Layer w0.152: v1(-13.929,8.551) -13.396,9.085 -13.396,11.625 -11.533,11.625 -10.848,12.31 -9.18,12.31 SPI_MISO1.P$1@-8.951,12.082
SPI_EXT_MOSI: P500.51 SPI_MOSI1.P$1 | length 1.4
  Top Layer w0.152: P500.51@-8.196,9.847 -8.196,10.856 -7.935,11.117 v1(-7.935,11.142)
SPI_EXT_SCK: P500.73 SPI_SCK1.P$1 | length 7.6
  Top Layer w0.15: v1(-14.158,12.082) -13.696,11.62 P500.73@-13.696,9.847
  Bottom Layer w0.15: v1(-14.158,12.082) -14.183,12.056 -14.26,12.056 -14.26,13.072 -13.86,13.472 -10.531,13.472 SPI_SCK1.P$1@-10.443,13.384
V\B\U\S\_\V\A\L\I\D\: P500.59 PSM200.!VBUS_VALID | length 30.8
  Top Layer w0.15: v1@-10.323,8.627 -10.196,8.754 P500.59@-10.196,9.847
  Signal Layer 1 w0.15: v1(-22.845,-3.666) -22.845,-5.495 -21.016,-7.324 -19.299,-7.324 -17.427,-5.452 -17.427,-5.32 -17,-4.893 -16.248,-4.893 -15.574,-4.219 -15.574,2.211 -12.593,5.192 -10.358,5.192 -10.15,5.4 -10.15,8.379 v1(-10.399,8.627)
  Bottom Layer w0.15: PSM200.!VBUS_VALID@-22.87,-2.244 -22.743,-2.117 v1@-22.743,-3.742
V\D\D\_\5\V\_\H\I\P\O\W\E\R\_\O\C\: P500.45 PSM200.!VDD_5V_HIPOWER_OC | length 9.2
  Top Layer w0.152: v1(-6.868,12.666) -6.741,12.539 -6.919,12.361 -6.919,10.543 -6.866,10.49 -6.866,10.016 P500.45@-6.696,9.847
  Bottom Layer w0.152: PSM200.!VDD_5V_HIPOWER_OC@-12.184,14.762 -8.965,14.762 v1(-6.868,12.666)
V\D\D\_\5\V\_\P\E\R\I\P\H\_\E\N\: P500.27 PSM200.!VDD_5V_PERIPH_EN | length 12.2
  Top Layer w0.152: v1(-3.16,8.45) -3.105,8.504 -2.49,8.504 -2.224,8.77 -2.224,9.817 P500.27@-2.195,9.847
  Bottom Layer w0.152: PSM200.!VDD_5V_PERIPH_EN@-12.184,8.754 -11.27,7.84 -7.371,7.84 -7.197,7.666 -6.59,7.666 -6.416,7.84 -5.943,7.84 -5.646,7.544 -5.332,7.544 -5.179,7.696 -4.506,7.696 -4.471,7.732 -4.149,7.732 -4.041,7.84 -3.846,7.84 -3.414,8.272 -3.414,8.297 -3.312,8.297 v1(-3.16,8.45)
V\D\D\_\5\V\_\P\E\R\I\P\H\_\O\C\: P500.43 PSM200.!VDD_5V_PERIPH_OC | length 8.9
  Top Layer w0.152: v1(-6.386,11.853) -6.386,11.65 -6.196,11.46 P500.43@-6.196,9.847
  Bottom Layer w0.152: PSM200.!VDD_5V_PERIPH_OC@-12.184,12.762 -11.753,13.194 -10.891,13.194 -10.643,12.945 -10.053,12.945 -9.698,13.301 -8.316,13.301 -6.868,11.853 v1(-6.386,11.853)
V\D\D\_\B\A\C\K\U\P\_\V\A\L\I\D\: P500.57 PSM200.!VDD_BACKUP_VALID | length 32.8
  Top Layer w0.15: v1@-9.738,8.653 -9.696,8.695 P500.57@-9.696,9.847
  Signal Layer 1 w0.15: v1(-22.159,-7.171) -21.346,-7.984 -18.654,-7.984 -17.384,-6.714 -17.384,-5.8 -17.15,-5.567 -17.15,-5.435 -16.885,-5.17 -16.134,-5.17 -15.297,-4.334 -15.297,2.097 -12.479,4.915 -10.243,4.915 -9.713,5.446 v1(-9.713,8.653)
  Bottom Layer w0.15: v1@-22.096,-7.108 -22.438,-6.765 -22.438,-3.869 -20.864,-2.295 -20.864,-2.241 PSM200.!VDD_BACKUP_VALID@-20.867,-2.244
V\D\D\_\B\R\I\C\K\_\V\A\L\I\D\: P500.55 PSM200.!VDD_BRICK_VALID | length 24.8
  Top Layer w0.15: P500.55@-9.196,9.847 -9.196,8.923 -9.027,8.754 -9.154,8.627 v1@-9.154,8.5
  Signal Layer 1 w0.15: v1(-16.698,-5.622) -16.523,-5.447 -16.019,-5.447 -15.02,-4.449 -15.02,1.982 -12.364,4.638 -10.129,4.638 -9.053,5.714 v1(-9.053,8.627)
  Bottom Layer w0.15: PSM200.!VDD_BRICK_VALID@-18.867,-2.244 -18.867,-3.453 v1(-16.698,-5.622)
V_BATT: C2.P$2 R1.P2 R2.P2 VBATT.P$1 | length 8.1
  Top Layer w0.254: R1.P2@36.295,-49.781 R1.P2@36.068,-49.554 35.382,-49.554 35.255,-49.681 35.255,-50.004 R2.P2@34.569,-50.689 34.569,-52.73 VBATT.P$1@34.747,-52.908 34.828,-52.989 36.935,-52.989 C2.P$2@38.071,-52.989
V_CURRENT: C1.P$2 R5.P1 U9.3 VCURR.P$1 | length 29.2
  Top Layer w0.254: C1.P$2@15.929,-58.019 15.607,-58.019 14.884,-57.297 14.884,-49.726 16.376,-48.235 26.357,-48.235 R5.P1@28.016,-49.894 29.75,-49.894 U9.3@30.038,-50.181 VCURR.P$1@30.038,-46.431
VBUS: P201.1 P500.29 PSM200.VBUS PSM200.VDD_VBUS | length 73.9
  Top Layer w0.15: P500.29@-2.677,9.847 v1(-2.677,8.958) v1@-2.652,8.932
  Top Layer w0.8: P201.1@16.758,25.087 17.481,25.087 v2(18.752,23.817)
  Bottom Layer w0.15: -2.652,7.129 v1@-2.652,8.932
  Bottom Layer w0.8: PSM200.VDD_VBUS@-32.04,6.519 -31.693,6.519 -31.693,5.164 -31.125,5.732 -24.521,5.732 -23.454,6.799 -14.596,6.799 -14.531,6.733 -13.735,6.733 -13.669,6.799 -12.235,6.799 -12.184,6.748 -11.803,7.129 -7.513,7.129 -7.447,7.063 -6.34,7.063 -6.275,7.129 -6.084,7.129 -5.896,6.941 -5.53,6.941 -5.522,6.932 -5.09,6.932 -4.929,7.093 -4.257,7.093 -4.221,7.129 13.731,7.129 ; 13.658,7.12 15.823,7.12 17.878,9.175 17.878,14.738 17.458,15.158 17.458,22.522 v2(18.752,23.817)
VDD_3V3_SPEKTRUM: D102.C PSM200.SPEK SPKT100.3 | length 59
  Signal Layer 2 w0.8: v2@-17.79,26.687 -16.126,26.687 -14.892,27.92 -10.456,27.92 -9.223,26.687 -6.367,26.687 -6.276,26.596 -5.632,26.596 -5.541,26.687 4.2,26.687 4.367,26.519 5.011,26.519 5.178,26.687 SPKT100.3@26.248,26.687 ; SPKT100.3@26.223,26.693 SPKT100.3@26.248,26.668
  Bottom Layer w0.15: SPKT100.3@26.248,26.668 26.281,26.634 D102.C@26.281,25.144
  Bottom Layer w0.8: -24.877,21.277 -24.877,24.161 -22.326,26.712 v2(-17.689,26.712) ; PSM200.SPEK@-24.842,19.956 PSM200.SPEK@-24.842,20.97
VDD_3V3_SPEKTRUM_EN: P500.19 PSM200.VDD_3V3_SPEKTRUM_EN | length 16.2
  Top Layer w0.152: P500.19@-0.188,9.847 -0.188,8.983 v1(-0.137,8.932)
  Bottom Layer w0.152: PSM200.VDD_3V3_SPEKTRUM_EN@-12.184,10.762 -10.978,9.556 -10.978,8.546 -10.606,8.174 -7.31,8.174 -7.081,7.946 -6.706,7.946 -6.329,8.323 -6.03,8.323 -5.531,7.823 -5.447,7.823 -5.295,7.976 -4.622,7.976 -4.586,8.011 -4.264,8.011 -4.156,8.119 -3.961,8.119 -3.693,8.387 -3.693,8.413 -3.613,8.493 -3.613,8.637 -3.348,8.903 -3.13,8.903 -3.13,9.145 -2.865,9.411 -2.49,9.411 -2.42,9.342 -0.597,9.342 -0.188,8.932 v1(-0.137,8.932)
VDD_5V_BACKUP: PSM200.VDD_5V_BACKUP | length 2
  Bottom Layer w0.254: PSM200.VDD_5V_BACKUP@-31.934,8.662 PSM200.VDD_5V_BACKUP@-31.934,10.662
VDD_5V_BRICK: P202.1 P202.2 PSM200.VDD_BRICK_IN | length 258.9
  Top Layer w0.254: P202.1@46.37,-77.775 P202.2@47.62,-77.775
  Top Layer w0.8: v2(-31.582,13.606) -33.676,13.606 -40.31,20.24 -40.31,30.836 -38.506,32.639 43.84,32.639 45.822,30.658 45.822,1.116 45.009,0.303 45.009,-56.445 54.857,-66.294 60.325,-66.294 62.205,-68.174 62.205,-78.943 61.976,-79.172 43.983,-79.172 43.717,-78.906 43.717,-78.243 44.186,-77.775 P202.1@46.37,-77.775
  Bottom Layer w0.8: -32.709,12.532 -32.709,12.716 ; -32.709,12.716 -31.582,13.843 -31.582,14.532 -32.709,14.532 -32.709,12.716
VDD_5V_HIPOWER: L101.P$1 PSM200.5V_HIPOWER | length 94.2
  Signal Layer 2 w0.3: v1(3.63,-1.66) 3.655,-1.634 6.181,-1.634 6.737,-2.19 6.737,-2.438 6.828,-2.529 7.048,-2.529 7.087,-2.568 7.523,-2.568 7.562,-2.529 8.535,-2.529 9.678,-1.387 11.401,-1.387 v1(11.775,-1.761)
  Signal Layer 2 w0.8: v2(-16.876,17.619) -15.693,16.436 v2(9.54,16.436) ; v2@37.957,-4.066 v2@38.008,-4.117
  Signal Layer 1 w0.8: v2(9.54,16.436) 11.217,14.76 11.217,1.941 ; 11.217,1.947 12.08,1.084 12.08,-1.761 15.611,-5.292 17.186,-5.292 18.557,-3.92 21.504,-3.92 23.231,-5.647 24.577,-5.647 26.66,-7.73 34.864,-7.73 v2(38.457,-4.137)
  Bottom Layer w0.8: v2(-16.876,17.619) -16.876,17.746 -16.867,17.755 PSM200.5V_HIPOWER@-16.867,20.262 ; v2@38.406,-4.087 38.406,0.42
VDD_5V_IN_PROT: P500.61 P500.63 PSM200.VDD_5V_IN_PROT | length 27.1
  Top Layer w0.15: P500.63@-11.196,9.847 -10.946,9.847 ; v2@-10.946,11.625 -11.11,11.789 -11.11,11.65 -10.754,11.294 v2@-9.992,11.294
  Top Layer w0.8: -10.946,9.847 v2@-10.946,11.625
  Signal Layer 1 w0.8: v2@-16.825,-3.92 -16.825,-0.542 -17.526,0.159 -17.526,9.781 -15.733,11.574 -15.453,11.294 -10.678,11.294 v2(-10.5,11.472)
  Bottom Layer w0.8: v2@-16.867,-3.717 PSM200.VDD_5V_IN_PROT@-16.867,-2.244
  other v2: -16.876,-3.717
VDD_5V_PERIPH: L100.P$1 L102.P$1 L103.P$1 L104.P$1 L105.P$1 L106.P$1 L107.P$1 P105.1 P106.1 PSM200.5V_PERIPH | length 197.1
  Top Layer w0.254: v2@-18.857,21.708 -17.942,22.623 -17.942,24.62 -16.082,26.481 v1(-14.482,26.481)
  Signal Layer 2 w1.6: 35.048,15.179 36.382,13.845 38.182,13.845 38.458,14.12 v2@38.458,16.12
  Signal Layer 2 w2: v2@-18.857,21.708 -16.53,19.381 -7.301,19.381 -7.083,19.163 -5.722,19.163 -5.203,19.682 -1.684,19.682 -1.216,19.214 -0.075,19.214 0.032,19.32 3.528,19.32 4.144,19.936 13.193,19.936 15.579,17.549 21.912,17.549 22.42,18.057 29.628,18.057 30.777,19.206 32.051,19.206 32.503,18.753 33.16,18.753 35.048,16.865 35.048,15.179
  Bottom Layer w0.15: v1(-14.482,26.481) P105.1@-14.482,76 ; 17.819,25.296 P106.1@17.819,76
  Bottom Layer w0.254: v1(15.526,18.737) 15.526,23.004 17.819,25.296
  Bottom Layer w0.8: PSM200.5V_PERIPH@-18.867,20.262 v2@-18.867,21.82 ; 38.444,3.12 38.444,17.3
  other v2: 38.66,16.081 -18.882,21.734
VDD_SERVO: "P304.SERVO VCC" D300.ANODE P301.3 P500.53 | length 103.3
  Top Layer w0.254: P301.3@-30.687,24.496 -27.277,21.086 -24.712,21.086 -17.459,13.833 -17.459,11.472 -15.577,9.59 -15.577,9.052 -14.412,7.887 -9.787,7.887 -9.715,7.815 -9.311,7.815 -9.002,8.123 -8.844,8.123 -8.549,8.419 -8.549,8.577 -8.494,8.632 -8.494,9.1 -8.577,9.183 -8.577,9.728 P500.53@-8.696,9.847
  Bottom Layer w0.2: -38.585,-8.162 -38.585,-7.947 -37.367,-6.73 -35.192,-6.73 -33.76,-8.162 D300.ANODE@-26.105,-8.162
  Bottom Layer w0.5: -38.729,-8.018 -38.585,-8.162
  Bottom Layer w0.8: -38.657,-8.09 -38.583,15.824
  Bottom Layer w1: -57.876,15.741 -44.973,15.741 ; -45.695,15.824 -37.816,15.824 -34.859,18.782 -34.859,21.324 P301.3@-31.102,25.08
VDD_SERVO_IN: L300.P$2 P500.9 PSM200.SERVO_IN | length 50.2
  Top Layer w0.254: v1(2.149,8.399) 2.149,8.475 2.327,8.653 P500.9@2.327,9.847
  Signal Layer 2 w0.254: v1(-6.894,8.399) -6.005,7.51 -1.001,7.51 -0.082,8.428 0.072,8.428 0.089,8.446 2.102,8.446 v1(2.149,8.399)
  Signal Layer 1 w0.254: v1(-24.496,-7.121) -23.226,-8.391 -18.408,-8.391 -14.691,-4.674 -14.691,1.846 -12.228,4.309 -9.992,4.309 -8.724,5.578 -8.724,6.594 -6.894,8.424 v1(-6.894,8.399)
  Bottom Layer w0.254: L300.P$2@-27.858,-4.225 -25.613,-1.98 PSM200.SERVO_IN@-24.542,-1.98 ; PSM200.SERVO_IN@-24.877,-2.244 -24.496,-2.625 v1(-24.496,-7.121)
Vin: B1.5 B1.7 C4.P$1 J1.P | length 24.7
  Top Layer w0.254: B1.5@23.305,-58.725 24.809,-58.725 ; B1.7@23.305,-56.185 24.334,-56.185 24.809,-56.659 24.809,-58.725 ; C4.P$1@26.54,-57.697 26.54,-58.528 26.343,-58.725 24.809,-58.725 ; J1.P@28.258,-74.879 28.258,-71.788
  Top Layer w0.8: 26.54,-58.819 26.54,-70.07 28.258,-71.788
VOUT: 12v.IN+ C6.P$1 C7.P$1 ESC.7 L1.P$2 R6.P2 REGin.P$1 | length 86.3
  Top Layer w0.254: REGin.P$1@6.158,-23.139 12v.IN+@10.956,-23.139 ; 20.648,-63.378 C6.P$1@20.648,-62.828 ; C7.P$1@20.648,-61.811 C7.P$1@20.775,-61.684
  Top Layer w0.4: L1.P$2@20.248,-51.791 20.248,-52.914 20.803,-53.469 R6.P2@20.803,-60.524 ; C6.P$1@20.648,-62.828 C7.P$1@20.648,-61.811 ; C7.P$1@20.775,-61.684 R6.P2@20.775,-60.524
  Top Layer w0.8: ESC.7@-0.555,-49.5 3.484,-49.5 4.191,-48.793 4.191,-27.545 4.66,-27.076 10.738,-27.076 10.956,-26.859 12v.IN+@10.956,-23.139
  Top Layer w1: ESC.7@-0.555,-49.5 -0.555,-57.08 6.753,-64.389 20.191,-64.389 20.648,-63.933 20.648,-63.378
pads on no net: 12v.IN- P500.26 P500.65 P500.hole-1 P500.hole-2 PSM200.NC U9.4

## Polygon pours and split planes (outlines as drawn)
GND on Bottom Layer "Bottom-GND" (solid, remove dead copper, pour order 11): 63.068,78.181 63.068,-22.327 -46.05,-22.327 -46.05,78.181
VDD_SERVO on Bottom Layer "Top-VDD_SERVO" (solid, remove dead copper, pour order 9): -51.708,42.782 -51.708,49.482 -51.708,57.582 -57.208,57.582 -59.808,57.582 -59.885,13.082 -49.708,13.13 -49.708,15.98 -51.708,15.982
GND on Top Layer "Top-GND" (solid, remove dead copper, pour order 13): -60.805,76.785 60.705,76.785 60.705,-78.257 -60.805,-78.257
no net on Top Layer "NONET_L01_P014" (solid, pour order 14): 62.334,26.949 112.37,26.949 112.598,26.949 112.7,26.949 112.7,-23.622 64.185,-23.622 61.468,-23.622 61.468,26.692
no net on Top Overlay (none): -62.299,-79.413 -62.299,80.558 65.432,80.558 65.461,80.529 65.461,33.648 ccw(c68.461,33.648) 68.461,30.648 141.631,30.648 cw(c141.631,27.648) 144.631,27.648 144.631,-26.352 cw(c141.631,-26.352) 141.631,-29.352 141.709,-29.352 68.461,-29.352 ccw(c68.461,-32.352) 65.461,-32.352 65.461,-79.413
GND on Signal Layer 2 "Sig_GND" (solid, remove dead copper, pour order 10): -47.658,18.034 -47.658,31.852 42.942,31.852 42.942,-22.861 42.542,-23.261 42.042,-23.761 -47.658,-23.761
no net on Signal Layer 2 "NONET_L02_P015" (solid, pour order 15): 63.627,23.774 104.572,23.774 104.572,-20.371 63.856,-20.371 63.627,-20.599
GND on Signal Layer 1 "Sig1_GND" (solid, remove dead copper, pour order 12): -47.111,34.569 43.049,34.569 42.764,-19.964 -47.111,-19.964 -47.111,-11.354

## Keep-outs
Keep-Out Layer:
  lines w0.254: 70.8,8.55 cw(c74.8,8.55) 74.8,12.55 ; 70.8,8.595 70.8,-8.55 ccw(c74.8,-8.55) 74.8,-12.55 91.717,-12.55 ; 74.755,12.55 91.717,12.55 ; 91.7,-12.55 ccw(c91.7,-8.55) 95.7,-8.55 ; 91.7,12.55 cw(c91.7,8.55) 95.7,8.55 ; 95.7,-8.661 95.7,8.567 ; 125.628,-14.58 125.882,-14.326 ; -44.958,-65.456 -3.505,-65.456 -3.505,-24.384 -44.958,-24.384 -44.958,-65.456 ; 78.8,-8.55 ccw(c74.8,-8.55) 78.8,-8.55

## Silkscreen, mask and mechanical layers (free items; w line width, h text height)
Top Overlay:
  lines w0.1: 14.008,-5.292 14.008,24.706
  lines w0.254: 22.158,-8.11 22.208,-8.11 ; 140,-30 ccw(c140,-27) 143,-27 ; 140.078,-30 66.83,-30 ccw(c66.83,-33) 63.83,-33 63.83,-80.061 -63.93,-80.061 -63.93,79.91 63.801,79.91 63.83,79.882 63.83,33 ccw(c66.83,33) 66.83,30 140,30 cw(c140,27) 143,27 143,-27.078
  text "s" at -58.445,57.175 h0.5
  text "+" at -56.007,57.175 h0.5
  text "rx" at -29.322,28.439 h0.5
  text "tx" at -34.326,28.363 h0.5
  text "+ - s" at 26.058,28.12 h0.7
  text "-" at -26.401,27.347 h0.7
  text "USB" at 16.358,25.72 h0.7 r90
  text "Spkt" at 24.258,25.02 h0.7 r90
  text "s" at -34.3,24.756 h0.7
  text "+" at 15.058,24.72 h0.7
  text "-" at -26.375,24.68 h0.7
  text "S.Bus out" at -33.042,23.52 h0.7
  text "P" at 15.158,23.42 h0.7
  text "M" at 15.158,22.22 h0.7
  text "ASI" at 24.771,21.938 h0.7 r90
  text "-" at 15.058,21.02 h0.7
  text "+" at 23.458,20.92 h0.7
  text "CAN" at 33.308,20.519 h0.7 r90
  text "Bz" at 14.358,19.92 h0.7
  text "+" at 31.808,19.691 h0.7
  text "ADC" at 22.558,19.657 h0.7
  text "-" at -35.042,19.54 h0.7
  text "-" at 23.308,18.403 h0.7
  text "H 2" at 31.058,18.245 h0.7
  text "Led" at 14.558,17.52 h0.7
  text "L 2" at 31.058,17.045 h0.7
  text "-" at 31.808,15.791 h0.7
  text "I2C2" at 16.458,13.62 h0.7 r90
  text "Telem 1" at 24.258,13.02 h0.7 r90
  text "+" at 14.858,12.72 h0.7
  text "+" at 22.658,12.72 h0.7
  text "TX" at 22.458,11.42 h0.7
  text "SCL" at 14.308,11.32 h0.7
  text "CAN" at 33.308,10.994 h0.7 r90
  text "RX" at 22.458,10.22 h0.7
  text "+" at 31.808,10.166 h0.7
  text "SDA" at 14.308,10.02 h0.7
  text "CTS" at 22.458,9.02 h0.7
  text "-" at 14.858,8.82 h0.7
  text "H 1" at 31.058,8.72 h0.7
  text "RTS" at 22.558,7.72 h0.7
  text "L 1" at 31.058,7.52 h0.7
  text "-" at 22.758,6.42 h0.7
  text "-" at 31.808,6.266 h0.7
  text "GPS 1" at 16.321,3.695 h0.7 r90
  text "Type-A Connector" at -15.442,2.82 h0.7
  text "+" at 14.758,2.72 h0.7
  text "TX" at 14.008,1.42 h0.7
  text "GPS 2" at 24.808,1.078 h0.7 r90
  text "Telem 2" at 33.158,0.82 h0.7 r90
  text "+" at 31.158,0.137 h0.7
  text "RX" at 14.006,0.02 h0.7
  text "+" at 22.958,-0.08 h0.7
  text "TX" at 22.508,-1.18 h0.7
  text "TX" at 30.958,-1.163 h0.7
  text "SCL" at 14.008,-1.28 h0.7
  text "RX" at 30.958,-2.363 h0.7
  text "RX" at 22.606,-2.38 h0.7
  text "SDA" at 14.008,-2.48 h0.7
  text "CTS" at 30.958,-3.563 h0.7
  text "SFT" at 14.008,-3.68 h0.7
  text "SCL" at 22.608,-3.68 h0.7
  text "RTS" at 31.058,-4.863 h0.7
  text "LED" at 14.008,-4.88 h0.7
  text "SDA" at 22.608,-4.98 h0.7
  text "-" at 14.858,-6.18 h0.7
  text "-" at 31.258,-6.163 h0.7
  text "-" at 23.058,-6.38 h0.7
  text "I2C2" at 16.321,-8.305 h0.7 r90
  text "I2C1" at 24.771,-8.31 h0.7 r90
Bottom Overlay:
  circle w0.1: c9.754,-17.374 r1.5
  circle w0.1: c-20.244,12.624 r1.5

## Text inside footprints (layer, text, board x,y; h text height)
P500: Top Overlay "Male" at -9.506,6.16 h1.97
PSM200: Bottom Overlay "IO and power PixHawk2" at -18.374,11.882 h0.7 r45; Bottom Overlay "POWER IN" at -28.534,10.152 h0.7 r90; Bottom Overlay "ALM" at -10.584,5.262 h0.7 r90; Bottom Overlay "VBUS" at -10.584,7.462 h0.7 r90; Bottom Overlay "P EN" at -10.584,9.262 h0.7 r90; Bottom Overlay "S EN" at -10.584,11.262 h0.7 r90; Bottom Overlay "P OC" at -10.584,13.262 h0.7 r90; Bottom Overlay "HP OC" at -10.584,15.862 h0.7 r90; Bottom Overlay "BUZZ" at -10.584,3.362 h0.7 r90; Bottom Overlay "GND" at -14.284,21.362 h0.7; Bottom Overlay "FMU_5V" at -15.884,-3.738 h0.7; Bottom Overlay "A_OK" at -18.184,-3.738 h0.7; Bottom Overlay "B_OK" at -20.184,-3.738 h0.7; Bottom Overlay "U_OK" at -22.184,-3.738 h0.7; Bottom Overlay "Servo_VIN" at -25.584,-3.138 h0.7; Bottom Overlay "GND" at -14.284,-3.738 h0.7; Bottom Overlay "5V HP" at -16.084,21.462 h0.7; Bottom Overlay "5v P" at -18.284,21.462 h0.7; Bottom Overlay "NC" at -22.584,21.456 h0.7; Bottom Overlay "5V RX" at -20.184,21.462 h0.7; Bottom Overlay "3v3 SPEK" at -25.584,20.762 h0.7; Bottom Overlay "IN_5V_USB" at -32.984,6.862 h0.7 r90; Bottom Overlay "IN_5V_B" at -32.984,10.762 h0.7 r90; Bottom Overlay "IN_5V_A" at -32.984,14.662 h0.7 r90; Bottom Overlay "3DR Part# PCA_0007" at -17.574,11.082 h0.7 r45